# Altium PCB PCB_gravure_x4.PcbDoc (part 2 of 3)
Units mil, origin at the board's own origin, x right, y up, seen from the top; angles counter-clockwise.
Board outline 7410.01 x 4865 mil, 2 copper layers (Top Layer, Bottom Layer); 380 components, 0 nets, 1052 pads, 200 vias.
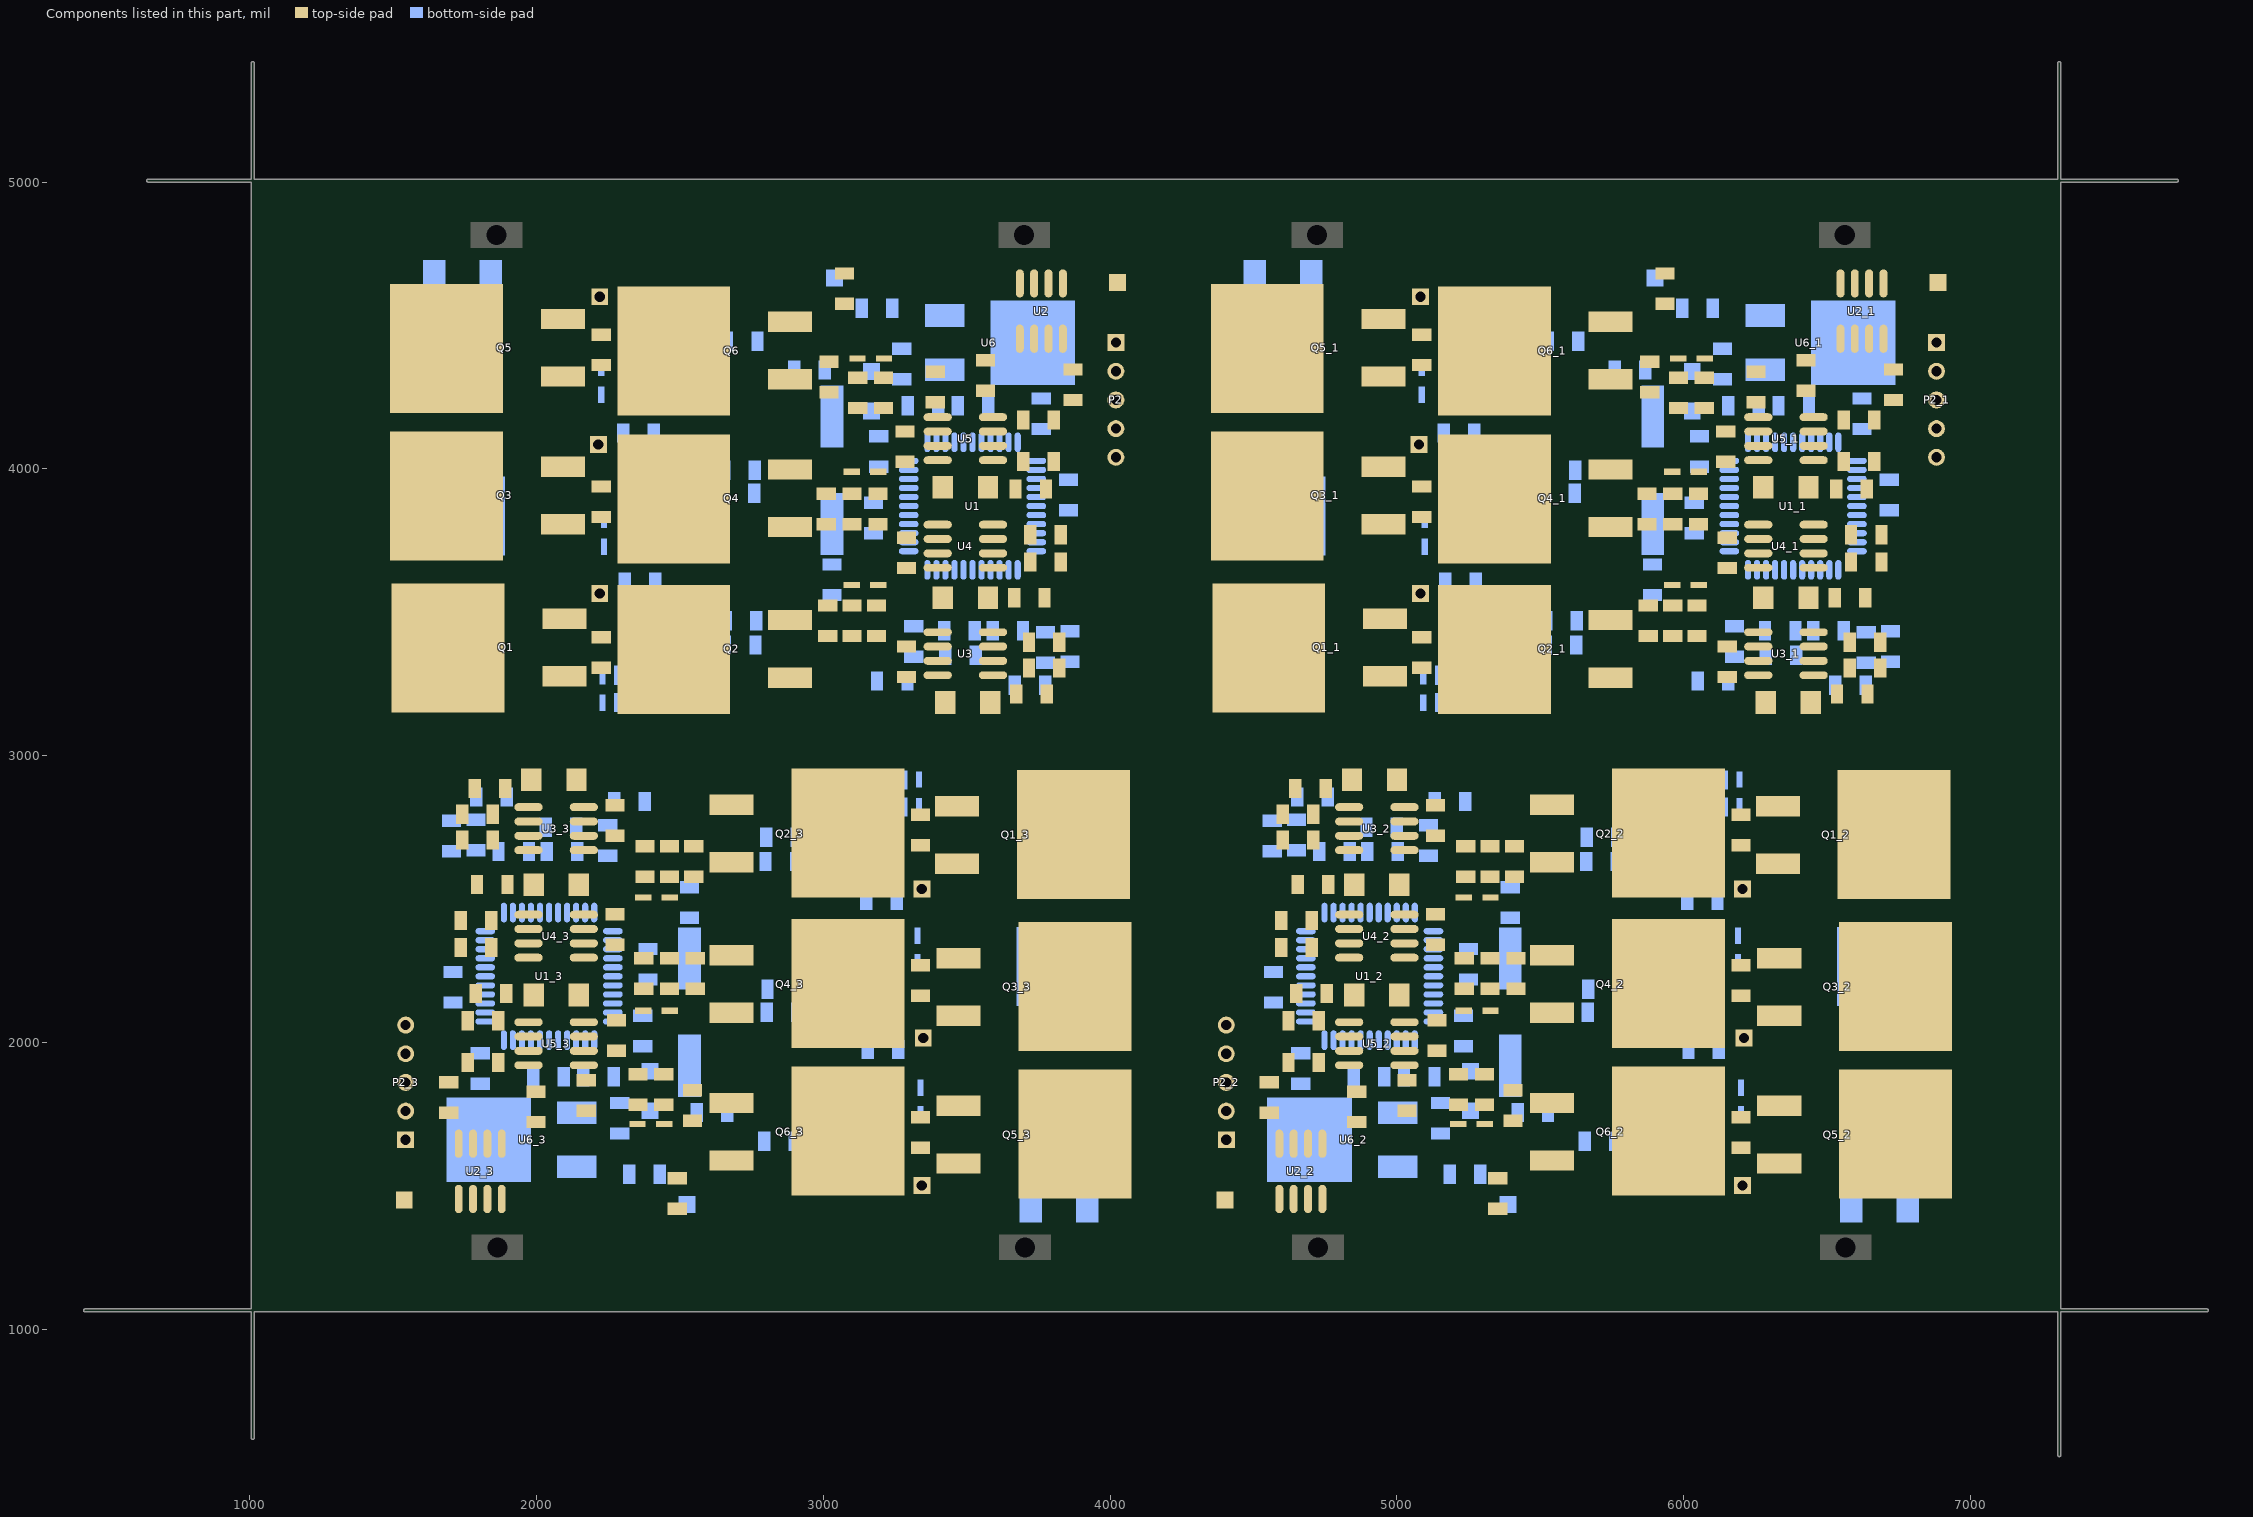
[diagram p2: the components of this part, seen from the top]

## Via types
v1: diameter 50, hole 28, Top Layer to Bottom Layer, 200 vias

## Nets (pads, with @x,y where several pads share a name; then routed paths per layer and width w, separated by ;. In a path a pad name is that pad's centre, name@x,y a point inside that pad or via, vN(x,y) a via of type N, cw(c..) or ccw(c..) an arc to the next point about the centre after c; other vN are vias at no path point) (continued)
copper on no net: | length 196428
  Top Layer w16: 2108.12,2620 2088.12,2600 2088.12,1905 2124.98,1868.15 ; 3438.15,4231.85 3475,4195 3475,3500 3455,3480 ; 4970,2620 4950,2600 4950,1905 4986.85,1868.15 ; 6300.02,4231.85 6336.88,4195 6336.88,3500 6316.88,3480
  Top Layer w20: 1543.13,2549.99 1791.98,2549.99 ; v1(1596.53,2291.59) 1590.12,2285.18 1590.12,2200.53 1590.12,2173 1668.12,2095 1668.12,2075 1759.98,1983.15 1759.98,1930 ; v1(1608.12,2415) 1608.12,2365 1643.12,2330 1734.98,2330 ; v1(1608.12,2725) 1658.12,2725 1678.12,2705 1739.98,2705 ; 1608.28,1860.15 1693.13,1860.15 ; 1614.27,1961.15 1618.12,1965 1623.12,1960 v1(1698.12,1960) v1@1693.13,1964.99 ; v1(1618.12,2805) 1719.98,2805 1724.98,2810 1739.98,2795 ; v1(1618.13,2650.01) 1543.12,2575 v1(1543.12,2220) 1543.12,2150 1603.12,2090 1603.12,1640 1673.12,1570 1878.12,1570 ; v1(1637.12,2215) 1637.12,2201 1759.98,2078.15 1759.98,2050 ; v1(1668.12,1660) 1714.58,1660 1728.12,1646.46 1728.12,1743.85 1716.98,1754.99 ; v1(1673.12,2405) 1693.12,2425 1734.98,2425 ; v1(1678.12,2870) 1678.12,2925 1698.12,2945 1873.12,2945 1888.28,2929.85 1888.28,2919.99 1979.38,2919.99 1988.12,2920 ; 1693.13,1753.85 1711.98,1753.85 1778.12,1820 1989.98,1820 1998.12,1828.15 ; 1778.12,1646.46 1778.12,1735 1818.12,1775 2083.12,1775 2096.27,1761.85 2173.12,1761.85 ; 1781.98,2871.15 1793.12,2860 1793.12,2640 ; 1786.98,2169.99 1813.12,2143.85 1813.12,1875 1828.12,1860 1938.12,1860 1971.67,1893.54 1971.67,1920 ; 1793.12,2176.14 1793.12,2260 ; 1828.12,1646.46 1828.12,1690 1858.79,1720.67 1894.19,1720.67 1899.86,1715 2198.12,1715 2223.12,1690 2223.12,1670 v1(2263.12,1630) ; 1841.27,2330 1856.27,2345 1971.67,2345 ; 1841.27,2425 1871.27,2395 1971.67,2395 ; 1846.27,2705 1861.27,2720 1971.67,2720 ; 1846.27,2795 1871.27,2770 1971.67,2770 ; 1866.27,1930 1906.27,1970 1971.67,1970 ; 1866.27,2050 1896.27,2020 1971.67,2020 ; 1878.12,1646.46 1878.12,1570 ; 1893.28,2169.99 1984.39,2169.99 ; 1898.28,2549.99 1989.38,2549.99 1971.67,2532.28 1971.67,2445 ; 1971.67,2070 1971.67,2157.27 ; 1971.67,2295 1913.12,2295 1878.12,2260 1793.12,2260 ; 1971.67,2670 1918.12,2670 1873.12,2625 1808.12,2625 1793.12,2640 ; 1971.67,2820 1971.67,2912.28 ; v1(2105,3175) 2105,3260.16 2098.43,3266.73 2184.88,3266.73 2225,3306.85 ; v1(2105,3700) 2105,3780.16 2093.43,3791.73 2176.73,3791.73 2216.85,3831.85 2225,3831.85 ; v1(2105,4220) 2105,4300.16 2093.43,4311.73 2181.73,4311.73 2225,4355 2225,4361.85 ; 2108.12,2620 v1@2233.12,2620 ; 2124.98,1868.15 2173.12,1868.15 ; 2136.87,2920 2164.58,2892.28 2164.58,2820 2266.97,2820 ; 2146.87,2165 2164.58,2147.28 2164.58,2070 2276.97,2070 2278.12,2071.15 ; 2146.87,2550 2164.58,2532.28 2164.58,2445 2165.73,2446.15 2273.12,2446.15 ; 2164.58,1920 2334.98,1920 2358.12,1896.85 2423.12,1896.85 ; 2164.58,1970 2272.97,1970 ; 2164.58,2020 2548.12,2020 2638.12,1930 2668.12,1930 v1(2838.12,1930) ; 2164.58,2345 2267.97,2345 2273.12,2339.85 2332.97,2339.85 2373.12,2380 2910.05,2380 3085.21,2204.84 ; 2164.58,2395 2328.12,2395 2368.12,2435 2828.12,2435 v1(2838.12,2445) ; 2164.58,2670 2384.98,2670 ; 2164.58,2720 2272.97,2720 2273.12,2719.85 2273.12,2721.8 2324.93,2721.8 2338.12,2735 2433.12,2735 2608.12,2910 2910.05,2910 3085.21,2734.84 ; 2164.58,2770 2333.12,2770 2358.12,2795 2358.12,2890 2383.12,2915 v1(2525,2915) ; 2166.43,2296.85 2164.58,2295 2166.43,2293.15 2373.12,2293.15 2463.12,2293.15 ; v1(2168.12,1660) 2168.12,1650 2088.12,1570 1878.12,1570 ; 2278.12,1964.85 2279.97,1963 2555.12,1963 2648.12,1870 2905.05,1870 ; 2351.87,1715 2353.12,1716.26 2353.12,1781.85 ; 2371.87,2110 2371.87,2185.59 2373.12,2186.85 ; 2371.87,2505 2371.87,2575.59 2373.12,2576.85 ; 2373.12,2683.15 2473.12,2683.15 ; 2444.38,1715 2444.38,1780.59 2443.12,1781.85 2491.83,1781.85 2543.12,1833.15 2634.82,1833.15 2679.7,1788.27 ; 2463.12,2576.85 2463.12,2600 2498.12,2635 2543.12,2635 2553.12,2645 2553.12,2683.15 2553.12,2765 2621.39,2833.27 2679.7,2833.27 ; 2464.38,2110 2463.12,2111.26 2463.12,2186.85 2463.12,2210 2498.12,2245 2533.12,2245 2553.12,2265 2553.12,2293.15 2568.24,2308.27 2679.7,2308.27 ; 2464.38,2505 2464.38,2575.59 ; 2477.91,3365.16 2653.07,3190 2955,3190 3130,3365 3225,3365 3238.2,3378.2 3290.01,3378.2 3290.01,3380.15 3290.16,3380 3398.54,3380 ; 2477.91,3895.16 2653.07,3720 3190,3720 3230.15,3760.15 3290.01,3760.15 3295.16,3755 3398.54,3755 ; 2543.12,1726.85 2551.27,1726.85 v1(2618.12,1660) ; 2548.12,2576.85 2564.98,2560 v1(2623.12,2560) ; 2553.12,2186.85 v1@2616.27,2186.85 ; v1(2603.12,2490) 2743.12,2490 v1(2738.12,2495) ; v1@2616.27,2181.85 v1(2623.12,2175) ; 2658.07,4230 2915,4230 3008,4137 3283.16,4137 3285.01,4135.15 ; v1(2725,3655) 2735,3665 3195,3665 3235,3705 3398.54,3705 ; v1(2725,4170) 2895,4170 2925,4170 3015,4080 3398.54,4080 ; v1(2825,3605) 2820,3610 v1(2960,3610) ; 2883.43,3266.73 2941.73,3266.73 3010,3335 3010,3416.85 3010,3455 3020,3465 3065,3465 3100,3500 3100,3523.15 ; 2883.43,3791.73 2994.88,3791.73 3010,3806.85 3010,3835 3030,3855 3065,3855 3100,3890 3100,3913.15 3100,3988.74 3098.74,3990 ; 2883.43,4311.73 2928.31,4266.85 3020,4266.85 3071.3,4318.15 3120,4318.15 3118.74,4319.41 3118.74,4385 ; v1(2940,3540) 2998.15,3540 3015,3523.15 ; v1(2940,3925) v1@2946.85,3918.15 ; v1(2945,4440) 3011.85,4373.15 3020,4373.15 ; v1@2946.85,3913.15 3010,3913.15 ; v1(3038.12,3185) 3180,3185 3205,3210 3205,3305 3230,3330 3398.54,3330 ; 3090,3416.85 3190,3416.85 ; 3098.74,3524.41 3098.74,3595 ; 3100,3806.85 3190,3806.85 3396.69,3806.85 3398.54,3805 3396.69,3803.15 ; 3140,4203.15 3205,4203.15 3228.15,4180 3398.54,4180 ; 3178.15,3430 3398.54,3430 ; 3190,3523.15 3191.26,3524.41 3191.26,3595 ; 3190,3913.15 3191.26,3914.41 3191.26,3990 ; 3210,4318.15 3210,4383.74 3211.26,4385 ; 3285.01,4028.85 3286.15,4030 3398.54,4030 3398.54,3952.72 3416.26,3935 ; 3290.01,3653.85 3397.4,3653.85 3398.54,3655 3398.54,3567.72 3416.26,3550 ; 3290.16,4130 3398.54,4130 ; 3296.15,3280 3398.54,3280 3398.54,3207.72 3426.26,3180 ; v1(3300,4470) 3340,4430 3340,4410 3365,4385 3663.27,4385 3668.94,4379.33 3704.33,4379.33 3735,4410 3735,4453.54 ; v1@3330,3480 3455,3480 ; 3338.12,1738.15 3338.12,1745 3381.39,1788.27 3469.7,1788.27 3458.12,1799.84 v1(3458.12,1880) ; 3338.12,2268.15 3346.27,2268.15 3386.39,2308.27 3469.7,2308.27 3458.12,2319.84 v1(3458.12,2400) ; 3338.12,2793.15 3378.24,2833.27 3464.7,2833.27 3458.12,2839.84 v1(3458.12,2925) ; 3390,4231.85 3438.15,4231.85 ; 3390,4338.15 3466.85,4338.15 3480,4325 3745,4325 3785,4365 3785,4453.54 ; v1(3395,4440) 3395,4450 3475,4530 3685,4530 ; 3565,4271.85 3573.15,4280 3785,4280 3851.15,4346.15 3869.99,4346.15 ; 3575,3180 3583.74,3180 3674.85,3180.01 3674.85,3170.15 3690,3155 3865,3155 3885,3175 v1(3885,3230) ; 3578.73,3930.01 3669.85,3930.01 ; 3591.46,3187.72 3591.46,3280 ; 3591.46,3330 3691.85,3330 3716.85,3305 ; 3591.46,3380 3701.85,3380 3716.85,3395 ; 3591.46,3430 3645,3430 3690,3475 3755,3475 3770,3460 ; 3591.46,3655 3591.46,3567.72 3573.75,3550.01 3664.85,3550.01 ; 3591.46,3705 3691.85,3705 3721.85,3675 ; 3591.46,3755 3706.85,3755 3721.85,3770 ; 3591.46,3805 3650,3805 3685,3840 3770,3840 ; 3591.46,3942.73 3591.46,4030 ; 3591.46,4080 3666.85,4080 3696.85,4050 ; 3591.46,4130 3656.85,4130 3696.85,4170 ; 3591.46,4180 3591.46,4206.46 3625,4240 3735,4240 3750,4225 3750,3956.15 3776.15,3930.01 ; 3685,4453.54 3685,4530 ; 3770,3923.86 3770,3840 ; 3771.15,3550.01 4019.99,3550.01 ; 3781.15,3228.85 3770,3240 3770,3460 ; 3803.15,4050 3803.15,4021.85 3926,3899 v1(3926,3885) ; 3803.15,4170 3803.15,4116.85 3895,4025 3895,4005 3973,3927 3973,3899.47 3973,3814.82 v1(3966.59,3808.41) ; 3823.15,3305 3838.15,3290 3843.15,3295 v1(3945,3295) ; 3823.15,3395 3885,3395 3905,3375 v1(3955,3375) ; 3828.15,3675 3870,3675 v1(3890,3695) ; 3828.15,3770 3920,3770 3955,3735 v1(3955,3685) ; 3846.15,4345.01 3835,4356.15 3835,4453.54 3848.54,4440 v1(3895,4440) ; v1@3869.99,4135.01 v1(3865,4140) 3940,4140 3945,4135 3948.85,4138.85 ; 3869.99,4239.85 3954.85,4239.85 ; v1(3944.99,3449.99) 4020,3525 v1(4020,3880) 4020,3950 3960,4010 3960,4460 3890,4530 3685,4530 ; 4405.01,2549.99 4653.85,2549.99 ; v1(4458.41,2291.59) 4452,2285.18 4452,2200.53 4452,2173 4530,2095 4530,2075 4621.85,1983.15 4621.85,1930 ; v1(4470,2415) 4470,2365 4505,2330 4596.85,2330 ; v1(4470,2725) 4520,2725 4540,2705 4601.85,2705 ; 4470.15,1860.15 4555.01,1860.15 ; 4476.15,1961.15 4480,1965 4485,1960 v1(4560,1960) v1@4555.01,1964.99 ; v1(4480.01,2650.01) 4405,2575 v1(4405,2220) 4405,2150 4465,2090 4465,1640 4535,1570 4740,1570 ; v1(4480,2805) 4581.85,2805 4586.85,2810 4601.85,2795 ; v1(4499,2215) 4499,2201 4621.85,2078.15 4621.85,2050 ; v1(4530,1660) 4576.46,1660 4590,1646.46 4590,1743.85 4578.85,1754.99 ; v1(4535,2405) 4555,2425 4596.85,2425 ; v1(4540,2870) 4540,2925 4560,2945 4735,2945 4750.15,2929.85 4750.15,2919.99 4841.25,2919.99 4850,2920 ; 4555.01,1753.85 4573.85,1753.85 4640,1820 4851.85,1820 4860,1828.15 ; 4640,1646.46 4640,1735 4680,1775 4945,1775 4958.15,1761.85 5035,1761.85 ; 4643.85,2871.15 4655,2860 4655,2640 ; 4648.85,2169.99 4675,2143.85 4675,1875 4690,1860 4800,1860 4833.54,1893.54 4833.54,1920 ; 4655,2176.14 4655,2260 ; 4690,1646.46 4690,1690 4720.67,1720.67 4756.06,1720.67 4761.73,1715 5060,1715 5085,1690 5085,1670 v1(5125,1630) ; 4703.15,2330 4718.15,2345 4833.54,2345 ; 4703.15,2425 4733.15,2395 4833.54,2395 ; 4708.15,2705 4723.15,2720 4833.54,2720 ; 4708.15,2795 4733.15,2770 4833.54,2770 ; 4728.15,1930 4768.15,1970 4833.54,1970 ; 4728.15,2050 4758.15,2020 4833.54,2020 ; 4740,1646.46 4740,1570 ; 4755.15,2169.99 4846.27,2169.99 ; 4760.15,2549.99 4851.25,2549.99 4833.54,2532.28 4833.54,2445 ; 4833.54,2070 4833.54,2157.27 ; 4833.54,2295 4775,2295 4740,2260 4655,2260 ; 4833.54,2670 4780,2670 4735,2625 4670,2625 4655,2640 ; 4833.54,2820 4833.54,2912.28 ; v1(4966.88,3175) 4966.88,3260.16 4960.3,3266.73 5046.76,3266.73 5086.88,3306.85 ; v1(4966.88,3700) 4966.88,3780.16 4955.3,3791.73 5038.61,3791.73 5078.73,3831.85 5086.88,3831.85 ; v1(4966.88,4220) 4966.88,4300.16 4955.3,4311.73 5043.61,4311.73 5086.88,4355 5086.88,4361.85 ; 4970,2620 v1@5095,2620 ; 4986.85,1868.15 5035,1868.15 ; 4998.74,2920 5026.46,2892.28 5026.46,2820 5128.85,2820 ; 5008.74,2165 5026.46,2147.28 5026.46,2070 5138.85,2070 5139.99,2071.15 ; 5008.74,2550 5026.46,2532.28 5026.46,2445 5027.6,2446.15 5134.99,2446.15 ; 5026.46,1920 5196.85,1920 5220,1896.85 5285,1896.85 ; 5026.46,1970 5134.84,1970 ; 5026.46,2020 5410,2020 5500,1930 5530,1930 v1(5700,1930) ; 5026.46,2345 5129.84,2345 5134.99,2339.85 5194.85,2339.85 5235,2380 5771.93,2380 5947.09,2204.84 ; 5026.46,2395 5190,2395 5230,2435 5690,2435 v1(5700,2445) ; 5026.46,2670 5246.85,2670 ; 5026.46,2720 5134.84,2720 5134.99,2719.85 5134.99,2721.8 5186.8,2721.8 5200,2735 5295,2735 5470,2910 5771.93,2910 5947.09,2734.84 ; 5026.46,2770 5195,2770 5220,2795 5220,2890 5245,2915 v1(5386.88,2915) ; 5028.31,2296.85 5026.46,2295 5028.31,2293.15 5235,2293.15 5325,2293.15 ; v1(5030,1660) 5030,1650 4950,1570 4740,1570 ; 5139.99,1964.85 5141.84,1963 5417,1963 5510,1870 5766.93,1870 ; 5213.74,1715 5215,1716.26 5215,1781.85 ; 5233.74,2110 5233.74,2185.59 5235,2186.85 ; 5233.74,2505 5233.74,2575.59 5235,2576.85 ; 5235,2683.15 5335,2683.15 ; 5306.26,1715 5306.26,1780.59 5305,1781.85 5353.7,1781.85 5405,1833.15 5496.69,1833.15 5541.57,1788.27 ; 5325,2576.85 5325,2600 5360,2635 5405,2635 5415,2645 5415,2683.15 5415,2765 5483.27,2833.27 5541.57,2833.27 ; 5326.26,2110 5325,2111.26 5325,2186.85 5325,2210 5360,2245 5395,2245 5415,2265 5415,2293.15 5430.12,2308.27 5541.57,2308.27 ; 5326.26,2505 5326.26,2575.59 ; 5339.79,3365.16 5514.95,3190 5816.88,3190 5991.88,3365 6086.88,3365 6100.07,3378.2 6151.88,3378.2 6151.88,3380.15 6152.03,3380 6260.42,3380 ; 5339.79,3895.16 5514.95,3720 6051.88,3720 6092.03,3760.15 6151.88,3760.15 6157.03,3755 6260.42,3755 ; 5405,1726.85 5413.15,1726.85 v1(5480,1660) ; 5410,2576.85 5426.85,2560 v1(5485,2560) ; 5415,2186.85 v1@5478.15,2186.85 ; v1(5465,2490) 5605,2490 v1(5600,2495) ; v1@5478.15,2181.85 v1(5485,2175) ; 5519.95,4230 5776.88,4230 5869.88,4137 6145.03,4137 6146.88,4135.15 ; v1(5586.88,3655) 5596.88,3665 6056.88,3665 6096.88,3705 6260.42,3705 ; v1(5586.88,4170) 5756.88,4170 5786.88,4170 5876.88,4080 6260.42,4080 ; v1(5686.88,3605) 5681.88,3610 v1(5821.88,3610) ; 5745.3,3266.73 5803.61,3266.73 5871.88,3335 5871.88,3416.85 5871.88,3455 5881.88,3465 5926.88,3465 5961.88,3500 5961.88,3523.15 ; 5745.3,3791.73 5856.76,3791.73 5871.88,3806.85 5871.88,3835 5891.88,3855 5926.88,3855 5961.88,3890 5961.88,3913.15 5961.88,3988.74 5960.62,3990 ; 5745.3,4311.73 5790.18,4266.85 5881.88,4266.85 5933.17,4318.15 5981.88,4318.15 5980.62,4319.41 5980.62,4385 ; v1(5801.88,3540) 5860.02,3540 5876.88,3523.15 ; v1(5801.88,3925) v1@5808.73,3918.15 ; v1(5806.88,4440) 5873.73,4373.15 5881.88,4373.15 ; v1@5808.73,3913.15 5871.88,3913.15 ; v1(5900,3185) 6041.88,3185 6066.88,3210 6066.88,3305 6091.88,3330 6260.42,3330 ; 5951.88,3416.85 6051.88,3416.85 ; 5960.62,3524.41 5960.62,3595 ; 5961.88,3806.85 6051.88,3806.85 6258.57,3806.85 6260.42,3805 6258.57,3803.15 ; 6001.88,4203.15 6066.88,4203.15 6090.02,4180 6260.42,4180 ; 6040.02,3430 6260.42,3430 ; 6051.88,3523.15 6053.13,3524.41 6053.13,3595 ; 6051.88,3913.15 6053.13,3914.41 6053.13,3990 ; 6071.88,4318.15 6071.88,4383.74 6073.13,4385 ; 6146.88,4028.85 6148.03,4030 6260.42,4030 6260.42,3952.72 6278.13,3935 ; 6151.88,3653.85 6259.27,3653.85 6260.42,3655 6260.42,3567.72 6278.13,3550 ; 6152.03,4130 6260.42,4130 ; 6158.03,3280 6260.42,3280 6260.42,3207.72 6288.13,3180 ; v1(6161.88,4470) 6201.88,4430 6201.88,4410 6226.88,4385 6525.14,4385 6530.81,4379.33 6566.21,4379.33 6596.88,4410 6596.88,4453.54 ; v1@6191.88,3480 6316.88,3480 ; 6200,1738.15 6200,1745 6243.27,1788.27 6331.57,1788.27 6320,1799.84 v1(6320,1880) ; 6200,2268.15 6208.15,2268.15 6248.27,2308.27 6331.57,2308.27 6320,2319.84 v1(6320,2400) ; 6200,2793.15 6240.12,2833.27 6326.57,2833.27 6320,2839.84 v1(6320,2925) ; 6251.88,4231.85 6300.02,4231.85 ; 6251.88,4338.15 6328.73,4338.15 6341.88,4325 6606.88,4325 6646.88,4365 6646.88,4453.54 ; v1(6256.88,4440) 6256.88,4450 6336.88,4530 6546.88,4530 ; 6426.88,4271.85 6435.02,4280 6646.88,4280 6713.02,4346.15 6731.87,4346.15 ; 6436.88,3180 6445.62,3180 6536.72,3180.01 6536.72,3170.15 6551.88,3155 6726.88,3155 6746.88,3175 v1(6746.88,3230) ; 6440.61,3930.01 6531.72,3930.01 ; 6453.33,3187.72 6453.33,3280 ; 6453.33,3330 6553.73,3330 6578.73,3305 ; 6453.33,3380 6563.73,3380 6578.73,3395 ; 6453.33,3430 6506.88,3430 6551.88,3475 6616.88,3475 6631.88,3460 ; 6453.33,3655 6453.33,3567.72 6435.62,3550.01 6526.72,3550.01 ; 6453.33,3705 6553.73,3705 6583.73,3675 ; 6453.33,3755 6568.73,3755 6583.73,3770 ; 6453.33,3805 6511.88,3805 6546.88,3840 6631.88,3840 ; 6453.33,3942.73 6453.33,4030 ; 6453.33,4080 6528.73,4080 6558.73,4050 ; 6453.33,4130 6518.73,4130 6558.73,4170 ; 6453.33,4180 6453.33,4206.46 6486.88,4240 6596.88,4240 6611.88,4225 6611.88,3956.15 6638.02,3930.01 ; 6546.88,4453.54 6546.88,4530 ; 6631.88,3923.86 6631.88,3840 ; 6633.02,3550.01 6881.87,3550.01 ; 6643.02,3228.85 6631.88,3240 6631.88,3460 ; 6665.02,4050 6665.02,4021.85 6787.88,3899 v1(6787.88,3885) ; 6665.02,4170 6665.02,4116.85 6756.88,4025 6756.88,4005 6834.88,3927 6834.88,3899.47 6834.88,3814.82 v1(6828.47,3808.41) ; 6685.02,3305 6700.02,3290 6705.02,3295 v1(6806.88,3295) ; 6685.02,3395 6746.88,3395 6766.88,3375 v1(6816.88,3375) ; 6690.02,3675 6731.88,3675 v1(6751.88,3695) ; 6690.02,3770 6781.88,3770 6816.88,3735 v1(6816.88,3685) ; 6708.02,4345.01 6696.88,4356.15 6696.88,4453.54 6710.42,4440 v1(6756.88,4440) ; v1@6731.87,4135.01 v1(6726.88,4140) 6801.88,4140 6806.88,4135 6810.73,4138.85 ; 6731.87,4239.85 6816.72,4239.85 ; v1(6806.87,3449.99) 6881.88,3525 v1(6881.88,3880) 6881.88,3950 6821.88,4010 6821.88,4460 6751.88,4530 6546.88,4530 ; 1793.12,2260 1793.12,2640 ; 3770,3460 3770,3840 ; 4655,2260 4655,2640 ; 6631.88,3460 6631.88,3840
  Top Layer w30: 1988.12,2920 2053.12,2855 2053.12,2486.25 ; 1989.38,2165 2053.12,2101.26 ; 1989.38,2549.99 2053.12,2486.25 ; 2378.12,1395 2378.12,1605 2268.12,1715 2268.12,1775 2228.12,1815 2123.12,1815 2053.12,1885 2053.12,2101.26 ; 3185,4705 3185,4495 3295,4385 3295,4325 3335,4285 3440,4285 3510,4215 3510,3998.74 ; 3573.75,3550.01 3510,3613.75 ; 3573.74,3935 3510,3998.74 ; 3575,3180 3510,3245 3510,3613.75 ; 4850,2920 4915,2855 4915,2486.25 ; 4851.26,2165 4915,2101.26 ; 4851.25,2549.99 4915,2486.25 ; 5240,1395 5240,1605 5130,1715 5130,1775 5090,1815 4985,1815 4915,1885 4915,2101.26 ; 6046.88,4705 6046.88,4495 6156.88,4385 6156.88,4325 6196.88,4285 6301.88,4285 6371.88,4215 6371.88,3998.74 ; 6435.62,3550.01 6371.88,3613.75 ; 6435.62,3935 6371.88,3998.74 ; 6436.88,3180 6371.88,3245 6371.88,3613.75 ; 2053.12,2101.26 2053.12,2486.25 ; 3510,3613.75 3510,3998.74 ; 4915,2101.26 4915,2486.25 ; 6371.88,3613.75 6371.88,3998.74
  Top Layer w40: 1538.12,1450 1768.12,1450 ; 1715,4705 3185,4705 3290,4705 ; 1838.12,1453.54 1878.12,1453.54 1904.58,1453.54 1963.12,1395 2273.12,1395 ; v1(2273.12,1460) 2273.12,1395 ; v1(3290,4640) 3290,4705 ; 3725,4646.46 3685,4646.46 3658.54,4646.46 3600,4705 3290,4705 ; 3795,4650 4025,4650 ; 3848.12,1395 2378.12,1395 2273.12,1395 ; 4400,1450 4630,1450 ; 4576.88,4705 6046.88,4705 6151.88,4705 ; 4700,1453.54 4740,1453.54 4766.46,1453.54 4825,1395 5135,1395 ; v1(5135,1460) 5135,1395 ; v1(6151.88,4640) 6151.88,4705 ; 6586.88,4646.46 6546.88,4646.46 6520.42,4646.46 6461.88,4705 6151.88,4705 ; 6656.88,4650 6886.88,4650 ; 6710,1395 5240,1395 5135,1395
  Bottom Layer w15: 2137.61,2069.49 2148.12,2080 2193.12,2080 2243.12,2030 ; 3320,4070 3370,4020 3415,4020 3425.51,4030.51 ; 4999.49,2069.49 5010,2080 5055,2080 5105,2030 ; 6181.88,4070 6231.88,4020 6276.88,4020 6287.39,4030.51